# Allegro board HY_TYPEC_CHRG_V10.brd
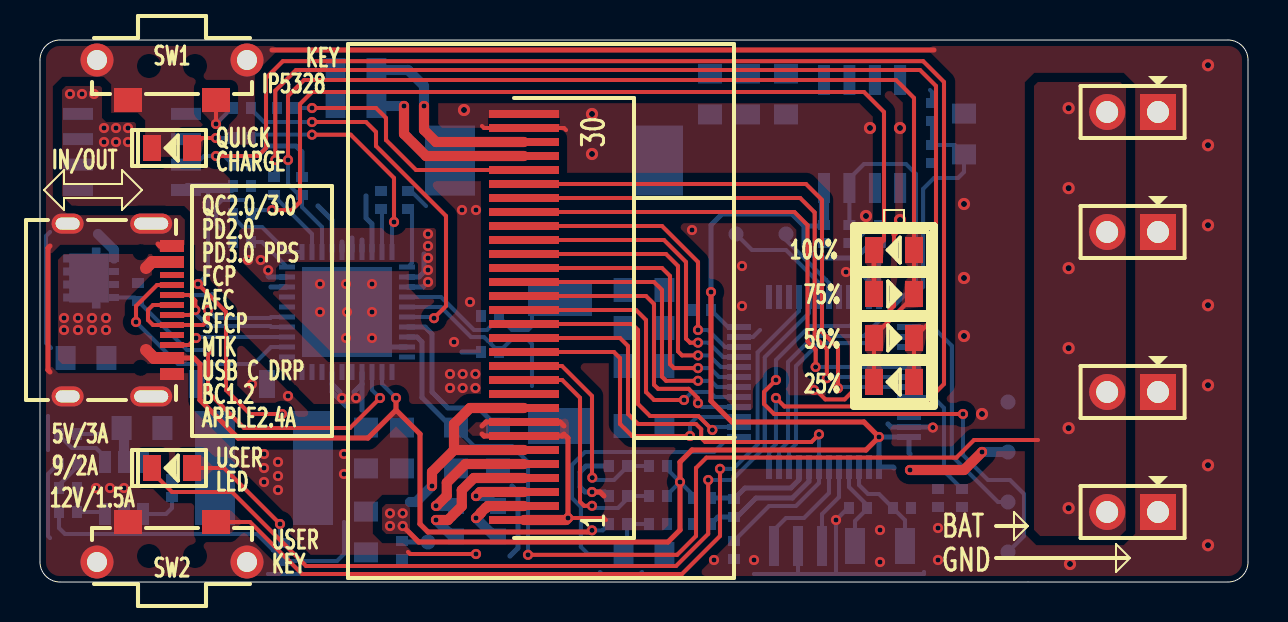
[diagram p0: board, top side]
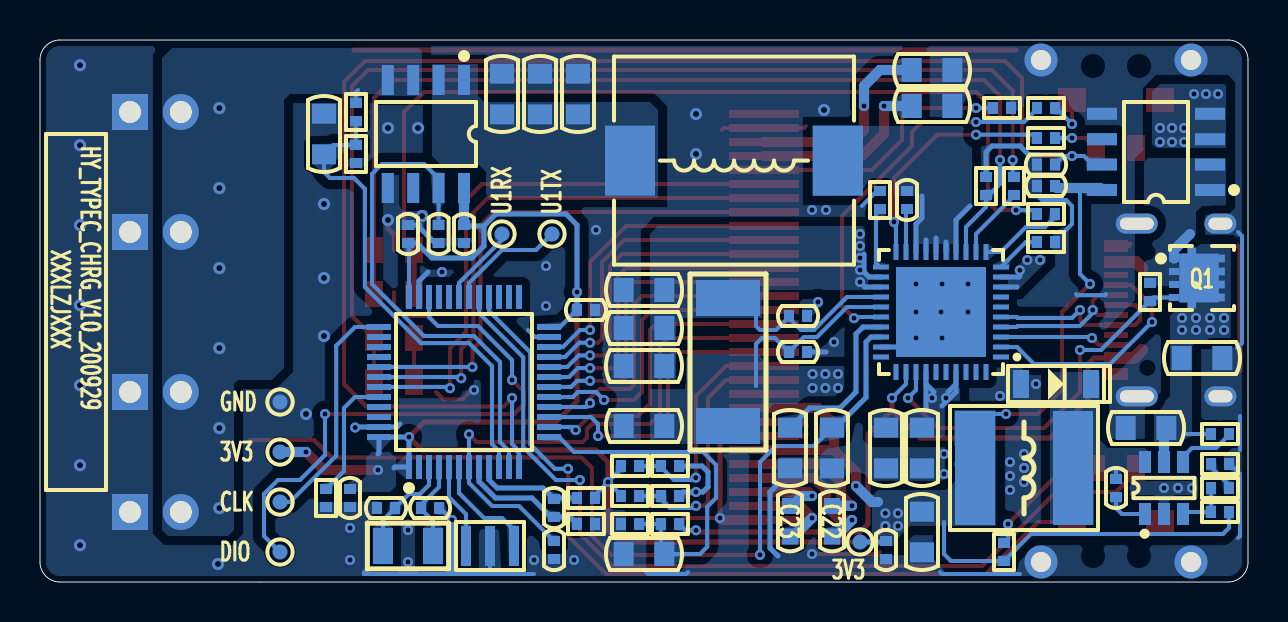
[diagram p1: board, bottom side, seen from below]

Outline 60.4 x 27.1 mm; copper layers: TOP, BOTTOM. Coordinates in mm from the lower left corner of the outline.
Outline path: 0,26.1 0,1 arc(0.29,0.29) 1,0 59.4,0 arc(60.11,0.29) 60.4,1 60.4,26.1 arc(60.11,26.81) 59.4,27.1 1,27.1 arc(0.29,26.81) 0,26.1

## Design rules (mm)
constraint set DEFAULT: min track width 0.203, pair gap 0.203
net group DP12: nets DMC DPC

## Placement (name value [footprint] x y rotation side)
C1  22uF_25V  [C0805]  30.2 7.8 0 bottom
C2  100nF_50V  [C0402]  22.5 11.5 0 bottom
C3  100nF_50V  [C0402]  22.5 13.3 0 bottom
C4  22uF_25V  [C0805]  30.2 10.8 0 bottom
C5  22uF_25V  [C0805]  30.2 14.6 0 bottom
C6  22uF_25V  [C0805]  30.2 12.7 0 bottom
C7  22uF_10V  [C0805]  20.8 6.7 90 bottom
C8  22uF_10V  [C0805]  22.9 6.7 90 bottom
C9  100nF_50V  [C0402]  10.1 19.8 180 bottom
C10  100nF_50V  [C0402]  39.2 17.4 90 bottom
C11  100nF_50V  [C0402]  17.05 19.1 270 bottom
C12  10uF_25V  [C0805]  2.3 11.2 180 bottom
C13  22uF_10V  [C0805]  33.5 24.4 90 bottom
C14  22uF_10V  [C0805]  37.3 24.4 90 bottom
C15  22uF_10V  [C0805]  35.4 24.4 90 bottom
C16  22uF_25V  [C0805]  16.3 6.7 270 bottom
C17  22uF_25V  [C0805]  18.1 6.7 270 bottom
C18  10nF_50V  [C0402]  6.6 4.7 90 bottom
C19  22uF_10V  [C0805]  16.3 2.5 270 bottom
C20  100nF_50V  [C0402]  18.1 1.6 270 bottom
C21  10uF_25V  [C0805]  5.1 7.7 0 bottom
C22  1uF_25V  [C0603]  20.8 3.04 90 bottom
C23  1uF_25V  [C0603]  22.9 3.04 270 bottom
C24  12pF_50V  [C0402]  43.1 3.7 180 bottom
C25  12pF_50V  [C0402]  40.9 3.7 0 bottom
C26  100nF_50V  [C0402]  44.9 4.2 90 bottom
C27  100nF_50V  [C0402]  42 17.4 270 bottom
C28  100nF_50V  [C0402]  33.1 13.6 0 bottom
C29  100nF_50V  [C0402]  34.7 3.7 90 bottom
C30  100nF_50V  [C0402]  34.7 1.6 270 bottom
C31  10uF_25V  [C0805]  15.8 23.8 180 bottom
C32  10uF_25V  [C0805]  15.8 25.6 180 bottom
C33  10uF_25V  [C0805]  30.2 1.4 0 bottom
C34  10uF_25V  [C0805]  46.2 22.4 90 bottom
C35  100nF_50V  [C0402]  10.1 20.87 0 bottom
C36  100nF_50V  [C0402]  40.47 17.4 270 bottom
D1  LED_GREEN  [LED0805]  6.6 21.7 180 top
D2  LED_GREEN  [LED0805]  42.7 10 180 top
D3  LED_GREEN  [LED0805]  42.7 12.2 0 top
D4  LED_GREEN  [LED0805]  42.7 14.4 0 top
D5  LED_GREEN  [LED0805]  42.7 16.6 180 top
D6  LMBR0520T1G  [SOD123]  9.6 9.9 0 bottom
D7  LED_GREEN  [LED0805]  6.6 5.7 180 top
J1  -  [CN1X2-2P54-Z]  55.9 23.5 180 top
J2  -  [CN1X2-2P54-Z]  55.9 17.5 180 top
J3  -  [CN1X2-2P54-Z]  55.9 9.5 180 top
J4  -  [CN1X2-2P54-Z]  55.9 3.5 180 top
L1  SMMS1040-1R5M  [L10040]  25.7 21.07 0 bottom
L2  SLF6028T-4R7M1R6-PF  [L6028]  11.2 5.7 0 bottom
NOREF  -  []  0 0 90 top
NOREF#2  -  []  0 0 0 top
Q1  WSD30L40DN  [DFN3X3]  2.3 15.2 270 bottom
R1  0R01  [R2512]  26 11 270 bottom
R2  1K  [R0402]  10.1 23.7 0 bottom
R3  110K  [R0402]  18.4 19.1 90 bottom
R4  10K  [R0402]  10.1 22.2 180 bottom
R5  300K  [R0402]  28.9 2.9 180 bottom
R6  10K  [R0402]  4.9 14.5 90 bottom
R7  100K  [R0402]  30.9 2.9 180 bottom
R8  0R/NI  [R0402]  13.1 19.8 90 bottom
R9  10K  [R0402]  11.7 19.8 90 bottom
R10  300K  [R0402]  44.6 23.5 90 bottom
R11  300K  [R0402]  44.6 21.4 90 bottom
R12  10K  [R0402]  10.1 18.4 0 bottom
R13  51K  [R0402]  10.1 17 180 bottom
R14  49.9K  [R0402]  1.4 3.5 0 bottom
R15  100K  [R0402]  1.4 7.4 180 bottom
R16  6.2K  [R0402]  1.4 4.7 180 bottom
R17  10K  [R0402]  1.4 5.9 180 bottom
R18  10K  [R0402]  30.9 4.3 0 bottom
R19  10K  [R0402]  30.9 5.8 0 bottom
R20  0R  [R0402]  33.1 4.2 180 bottom
R21  10K/NI  [R0402]  28.9 4.3 0 bottom
R22  10K/NI  [R0402]  28.9 5.8 0 bottom
R23  0R  [R0402]  33.1 2.9 180 bottom
R24  10K  [R0402]  46.1 4.2 270 bottom
R25  760K  [R0402]  12.3 23.7 0 bottom
R26  10K  [R0402]  12.2 1.5 270 bottom
SW1  K2-1112SW-A4SW-04/NI  [K2-1112SW-A4SW-04]  6.6 25.8 0 top
SW2  K2-1112SW-A4SW-04/NI  [K2-1112SW-A4SW-04]  6.6 1.3 180 top
TP1  TestPoint  [TP-0R75]  19.4 2 180 bottom
TP2  TestPoint  [TP-0R75]  48.4 9 180 bottom
TP3  TestPoint  [TP-0R75]  48.4 6.5 180 bottom
TP4  TestPoint  [TP-0R75]  34.8 17.4 180 bottom
TP5  TestPoint  [TP-0R75]  37.3 17.4 180 bottom
TP6  TestPoint  [TP-0R75]  48.4 4 180 bottom
TP7  TestPoint  [TP-0R75]  48.4 1.5 180 bottom
U1  CC6903SO-10A  [SOIC8]  4.6 21.5 90 bottom
U2  IP5328P  [QFN40-6X6X0R5-4R6X4R6]  15.35 13.5 90 bottom
U3  CC6903SO-10A  [SOIC8]  41.1 22.4 0 bottom
U4  MP2359DJ-LF-Z  [SOT23-6]  4.2 4.7 180 bottom
U5  -  [OLED_0R96]  25 13.6 90 top
U6  STM32L151RBT6  [LQFP48-7X7X0R5]  39.2 10 180 bottom
USB1  -  [TYPE-C-31-M-12]  6.6 13.6 270 top
X1  CSTCE8M00G15C99-R0  [X-3P-3R2X1R3-SMD]  37.9 1.8 180 bottom
X2  XTAL_32768Hz_3215  [X-2P-3R2X1R5-SMD]  42 1.8 0 bottom

## Library data of the parts
C1 C4-C8 C12-C17 C19 = CAP NP_3
C2 C3 C11 C18 C22 C23 C26-C32 = CAP NP_2
C9 C10 C20 C21 C24 C25 C33-C36 = CAP NP
D1-D5 D7 = LED_2
D6 = DIODE13_7
J1-J4 = CON2_CN1X2-2P54-Z_CN1X2-2P54-Z
L1 = IND_BEAD_0805_600OHM_1
L2 = INDUCTOR_0
Q1 = SI4497DY-T1-GE3_0
R1-R26 = R_Generic
SW1 SW2 = SWITCH-SPST-4P
TP1-TP7 = TestPoint
U1 U3 = CC6903SO-10A
U2 = IP5328P_0
U4 = MP2359DJ-LF-Z
U5 = OLED_0
U6 = STM32F103C8T6
USB1 = TYPE-C_16P
X1 X2 = XTAL_5032_0

## Footprints (pads in the part's own frame, mm; a bottom-side part is the same pattern mirrored in y, then rotated)
C0402
  rect 0.5x0.6 smd: 1(-0.45,0) 2(0.45,0)
C0603
  rect 0.8x0.8 smd: 1(-0.762,0) 2(0.762,0)
C0805
  rect 1x1.2 smd: 1(-1.016,0) 2(1.016,0)
CN1X2-2P54-Z
  rect 1.8x1.8 hole 1.1: 1(0,0)
  round 1.8 hole 1.1: 2(2.54,0)
DFN3X3
  rect 0.35x0.5 smd: 1(-0.975,-1.4) 2(-0.325,-1.4) 3(0.325,-1.4) 4(0.975,-1.4)
  custom 3.05x2.28 smd: 5(0,0)
K2-1112SW-A4SW-04
  round 1.65 hole 1: 1(-3.75,0.3) 4(3.75,0.3)
  rect 1.4x1.2 smd: 2(-2.2,-1.7) 3(2.2,-1.7)
L6028
  rect 2x5.7 smd: 1(-2.45,0) 2(2.45,0)
L10040
  rect 2.5x3.5 smd: 1(-5.2,0) 2(5.2,0)
LED0805
  rect 0.9x1.3 smd: 1(-1,0) 2(1,0)
LQFP48-7X7X0R5
  rect 0.3x1.2 smd: 1(-2.75,-4.25) 2(-2.25,-4.25) 3(-1.75,-4.25) 4(-1.25,-4.25) 5(-0.75,-4.25) 6(-0.25,-4.25) 7(0.25,-4.25) 8(0.75,-4.25) 9(1.25,-4.25) 10(1.75,-4.25) 11(2.25,-4.25) 12(2.75,-4.25) 25(2.75,4.25) 26(2.25,4.25) 27(1.75,4.25) 28(1.25,4.25) 29(0.75,4.25) 30(0.25,4.25) 31(-0.25,4.25) 32(-0.75,4.25) 33(-1.25,4.25) 34(-1.75,4.25) 35(-2.25,4.25) 36(-2.75,4.25)
  rect 1.2x0.3 smd: 13(4.25,-2.75) 14(4.25,-2.25) 15(4.25,-1.75) 16(4.25,-1.25) 17(4.25,-0.75) 18(4.25,-0.25) 19(4.25,0.25) 20(4.25,0.75) 21(4.25,1.25) 22(4.25,1.75) 23(4.25,2.25) 24(4.25,2.75) 37(-4.25,2.75) 38(-4.25,2.25) 39(-4.25,1.75) 40(-4.25,1.25) 41(-4.25,0.75) 42(-4.25,0.25) 43(-4.25,-0.25) 44(-4.25,-0.75) 45(-4.25,-1.25) 46(-4.25,-1.75) 47(-4.25,-2.25) 48(-4.25,-2.75)
OLED_0R96
  rect 0.4x3.5 smd: 1(-10.5,0.8) 2(-9.8,0.8) 3(-9.1,0.8) 4(-8.4,0.8) 5(-7.7,0.8) 6(-7,0.8) 7(-6.3,0.8) 8(-5.6,0.8) 9(-4.9,0.8) 10(-4.2,0.8) 11(-3.5,0.8) 12(-2.8,0.8) 13(-2.1,0.8) 14(-1.4,0.8) 15(-0.7,0.8) 16(0,0.8) 17(0.7,0.8) 18(1.4,0.8) 19(2.1,0.8) 20(2.8,0.8) 21(3.5,0.8) 22(4.2,0.8) 23(4.9,0.8) 24(5.6,0.8) 25(6.3,0.8) 26(7,0.8) 27(7.7,0.8) 28(8.4,0.8) 29(9.1,0.8) 30(9.8,0.8)
QFN40-6X6X0R5-4R6X4R6
  rect 0.25x0.8 smd: 1(-2.25,-3) 2(-1.75,-3) 3(-1.25,-3) 4(-0.75,-3) 5(-0.25,-3) 6(0.25,-3) 7(0.75,-3) 8(1.25,-3) 9(1.75,-3) 10(2.25,-3) 21(2.25,3) 22(1.75,3) 23(1.25,3) 24(0.75,3) 25(0.25,3) 26(-0.25,3) 27(-0.75,3) 28(-1.25,3) 29(-1.75,3) 30(-2.25,3)
  rect 0.8x0.25 smd: 11(3,-2.25) 12(3,-1.75) 13(3,-1.25) 14(3,-0.75) 15(3,-0.25) 16(3,0.25) 17(3,0.75) 18(3,1.25) 19(3,1.75) 20(3,2.25) 31(-3,2.25) 32(-3,1.75) 33(-3,1.25) 34(-3,0.75) 35(-3,0.25) 36(-3,-0.25) 37(-3,-0.75) 38(-3,-1.25) 39(-3,-1.75) 40(-3,-2.25)
  rect 4.5x4.5 smd: 41(0,0)
R0402
  rect 0.5x0.6 smd: 1(-0.45,0) 2(0.45,0)
R2512
  rect 1.8x3.2 smd: 1(-3.2,0) 2(3.2,0)
SOD123
  rect 0.8x1.4 smd: 1(1.75,0) 2(-1.75,0)
SOIC8
  rect 0.6x1.5 smd: 1(-1.9,-2.7) 2(-0.63,-2.7) 3(0.64,-2.7) 4(1.91,-2.7) 5(1.91,2.7) 6(0.64,2.7) 7(-0.63,2.7) 8(-1.9,2.7)
SOT23-6
  rect 0.6x1.1 smd: 1(-0.95,-1.3) 2(0,-1.3) 3(0.95,-1.3) 4(0.95,1.3) 5(0,1.3) 6(-0.95,1.3)
TP-0R75
  round 0.75 smd: 1(0,0)
TYPE-C-31-M-12
  rect 0.6x1.2 smd: 1(-3.2,0) 2(-2.4,0) 11(2.4,0) 12(3.2,0)
  rect 0.3x1.2 smd: 3(-1.75,0) 4(-1.25,0) 5(-0.75,0) 6(-0.25,0) 7(0.25,0) 8(0.75,0) 9(1.25,0) 10(1.75,0)
  oval 1x2.1 hole 0.6x1.7: 13(-4.32,-1.04) 14(4.32,-1.04)
  oval 1x1.6 hole 0.6x1.2: 15(-4.32,-5.22) 16(4.32,-5.22)
X-2P-3R2X1R5-SMD
  rect 1x1.8 smd: 1(-1.25,0) 2(1.25,0)
X-3P-3R2X1R3-SMD
  rect 0.5x2 smd: 1(-1.2,0) 2(0,0) 3(1.2,0)

## Nets
GND: C1.2 C2.1 C3.1 C4.2 C5.2 C6.2 C7.1 C8.1 C9.1 C10.1 C12.2 C13.2 C14.2 C15.2 C16.2 C17.2 C19.2 C20.2 C21.2 C24.1 C25.1 C26.1 C27.1 C28.1 C30.2 C31.2 C32.2 C33.2 C34.2 C35.2 C36.2 D1.2(CATHODE) D6.1 J1.1 J2.1 J3.1 J4.1 R3.2 R7.1 R8.2 R11.1 R13.2 R17.2 R21.1 R22.1 R23.2 R24.2 R25.1 SW1.1 SW1.2 SW1.4 SW2.1 SW2.3 SW2.4 TP2.1 U1.5 U2.29 U2.41 U3.5 U4.2 U5.1 U5.7 U5.8(VSS) U5.29 U5.30 U6.23 U6.35 U6.47(VSS_3) USB1.1 USB1.12 USB1.13 USB1.14 USB1.15 USB1.16 X1.2
VBUSG: Q1.4 R6.1 U2.33
VCC_3.3V: C9.2 C10.2 C19.1 C20.1 C26.2 C27.2 C28.2 L2.2 R14.1 R18.2 R19.2 R20.2 R26.2 TP1.1 TP3.1 U1.8(VCC) U3.8(VCC) U5.6 U5.9 U6.1 U6.24 U6.36 U6.48
VCC_VBAT: C7.2 J1.2 J2.2 J3.2 J4.2 R10.2 U2.28 U3.3 U3.4
VCC_VBUS: C12.1 C21.1 Q1.5 R5.2 R15.1 U2.32 U4.5 USB1.2 USB1.11(VBUS2)
VCC_VMID: C1.1 C2.2 C16.1 C17.1 R1.2 U1.3 U1.4 U2.25 U2.34 U2.37
VCC_VREG: C8.2 U2.27
VCC_VSYS: C3.2 C4.1 C5.1 C6.1 R1.1 U2.8 U2.9 U2.22 U2.23(VSYS_4) U2.24
VDDA: C29.2 R20.1 U6.9
VSSA: C29.1 R23.1 U6.8
ADC_BAT_C: C36.1 U3.7 U6.11
ADC_BAT_V: C34.1 R10.1 R11.2 U6.10
ADC_USB_C: C35.1 U1.7 U6.12
ADC_USB_V: C33.1 R5.1 R7.2 U6.13
BOOT0: R24.1 U6.44
BS1: R18.1 R21.2 U5.11
BS2: R19.1 R22.2 U5.12
CC1: U2.2 USB1.4
CC2: U2.3 USB1.10
DMC: U2.4 USB1.5 USB1.7
DPC: U2.5 USB1.6 USB1.8
KEY0: SW2.2 U6.28
LED0: D7.2(CATHODE) U6.29
LIGHT: R4.1 U2.20
OLED_CS: U5.13 U6.15
OLED_D0: U5.18 U6.18
OLED_D1: U5.19 U6.19
OLED_D2: U5.20 U6.20
OLED_D3: U5.21 U6.21
OLED_D4: U5.22 U6.22
OLED_D5: U5.23 U6.41
OLED_D6: U5.24 U6.42
OLED_D7: U5.25 U6.43
OLED_DC: U5.15 U6.14
OLED_RD: U5.17 U6.16
OLED_RW: U5.16 U6.17
OSC32_IN: C24.2 U6.3 X2.2
OSC32_OUT: C25.2 U6.4 X2.1
OSC_IN: U6.5 X1.1
OSC_OUT: U6.6 X1.3
RESET: C30.1 U5.14 U6.7
SWCLK: TP6.1 U6.37
SWDIO: TP7.1 U6.34
USART1_RX: TP5.1 U6.31
USART1_TX: TP4.1 U6.30
N17511019: Q1.1 Q1.2 Q1.3(S3) R6.2 U1.1 U1.2
N17512247: R2.1 SW1.3
N17512253: R2.2 U2.26
N17512311: R3.1 U2.21
N17512398: D1.1 R4.2
N17512435: C11.2 U2.19
N17512437: C11.1 L1.1 U2.14 U2.15 U2.16 U2.17 U2.18
N17512443: C13.1 C14.1 C15.1 L1.2(B) U3.1 U3.2
N17512548: D2.2(CATHODE) D3.1 D4.2(CATHODE) D5.1 R8.1 U2.13
N17512579: R9.1 U2.12
N17512581: D2.1 D3.2(CATHODE) R9.2
N17512652: R12.1 U2.11
N17512673: D4.1 D5.2(CATHODE) R12.2
N17512708: R13.1 U2.10
N17522626: C23.1 U5.3
N17522630: C23.2 U5.2
N17522638: C22.1 U5.4
N17522654: C22.2 U5.5
N17522830: R25.2 U5.26
N17522832: C31.1 U5.27
N17522836: C32.1 U5.28
N17529939: C18.2 D6.2(CATHODE) L2.1 U4.6(SW)
N17529941: C18.1 U4.1
N17530065: R14.2 R16.1 U4.3
N17530069: R15.2 U4.4
N17530107: R16.2 R17.1
N17549417: D7.1 R26.1

Pads without a net: U1 6; U2 1 6 7 30 31 35 36 38 39 40; U3 6; U5 10; U6 2 25 26 27 32 33 38 39 40 45 46; USB1 3 9

## Via types
v1: diameter 0.508, hole 0.254, TOP to BOTTOM, 133 vias
v2: diameter 0.61, hole 0.305, TOP to BOTTOM, 25 vias

## Routing (per net, layer and track width the routed paths; a pad name or vN(x,y) marks a point on that pad's centre or on a via; arc(x,y) is an arc through that point)
GND: length 132.3
  TOP w0.203: 18.4,1.5 18.5,1.4 v1(21.8,1.4) ; 28.3,3.1 28.2,3.2 v1(26.4,3.2) ; 40.9,13.3 42.2,13.3 42.7,13.8 42.7,14.5 ; 42.7,16.6 42.7,17.37 ; v1(38.7,9.6) 38.8,9.6 39.27,9.13 40.23,9.13 40.6,9.5 ; 22.1,22.8 22.2,22.7 U5.29 26.2,22.7 26.3,22.6
  TOP w0.254: v1(26.4,3.2) 26.4,7.2 26.3,7.3 ; 11.6,26.6 44.7,26.6 ; 22.1,7.8 22.3,8 U5.8 26,8 26.2,7.8 ; 22.1,7.4 22.2,7.3 U5.7 26.1,7.3 26.2,7.4 ; USB1.1 6,16.8 5.9,16.9 ; 0.5,10.5 0.4,10.6 0.4,16.7 0.5,16.8 ; 42.7,17.37 43,17.67 v2(43,18.1) ; v1(27.6,4.5) 28,4.5 28.2,4.3
  TOP w0.508: U5.1 26.3,3.1 v1(26.4,3.2)
  BOTTOM w0.203: 11.4,0.4 15.3,0.4 15.4,0.5 ; 7.1,14.4 7.16,14.34 8.54,14.34 8.6,14.4 ; U6.23 35.65,12.25 36,12.6 ; R3.2 18.55,19.55 19.3,18.8 ; 44.2,0.5 44.2,0.4 39.8,0.4 ; R17.2 0.9,5.9 0.4,5.4 0.4,2.3 0.5,2.2 ; 39.8,0.4 v1(39.8,3.1) 40.4,3.7 C25.1 ; 39.8,0.4 37.9,0.4 ; 10.4,19.2 10.3,19.1 9.1,19.1 8.8,18.8 8.8,17.9 9.1,17.6 ; 0.4,6.6 0.4,8.3 ; 0.5,17.5 0.3,17.3 0.3,11.96 0.56,11.7 ; 37.9,0.4 X1.2 ; 37.9,0.4 35.7,0.4 ; 28,0.5 28.1,0.4 30,0.4 30.1,0.5
  BOTTOM w0.254: C27.1 41.42,17.85 41.42,17.72 40.65,16.95 C36.2 ; 11,21.4 11.4,21.8 12.8,21.8 13.1,21.5 R8.2 ; U6.35 41.45,15.05 41,15.5 ; C2.1 21.1,11.5 ; R21.1 28.25,4.5 v1(27.6,4.5) 27.25,4.5 27,4.75 27,5.5 27.3,5.8 R22.1 ; v1(15.35,13.5) 17.1,11.75 U2.29 ; v1(44.64,7.72) 44.62,7.75 U6.47 42.55,7.75 42.4,7.9 ; 23.6,4.8 23.9,4.5 23.9,1.7 23.5,1.3
  vias: v1(2.8,4.7) v1(3.5,4.7) v1(4.2,4.7) v1(10.6,9.9) v1(11.2,6.4) v1(11.2,5.7) v1(11.2,5) v1(11.9,6) v1(11.9,5.3) v1(11.9,4.6) v1(12.4,9.3) v1(14,14.9) v1(14,13.5) v1(15.2,6.4) v1(15.2,5.4) v1(15.3,14.9) v1(15.3,12.2) v1(16.6,14.9) v1(16.6,13.5) v1(16.6,12.2) v1(20.7,12) v1(21.1,18.6) v1(21.5,14) v1(21.8,18.6) v1(32.6,17.6) v1(33.7,1.1) v1(35.1,15.8) v1(35.1,13.8) v1(35.7,1.1) v1(40.3,15.5) v1(42,2.6) v1(42,1) v1(44.9,2.7) v1(44.9,1.1) v2(21.2,23.6) v2(27.6,23.4) v2(27.6,21.4) v2(41.3,18.3) v2(41.5,22.7) v2(43,22.7) v2(46.2,18.9) v2(46.2,15.2) v2(46.2,12.3) v2(47.1,8.4) v2(51.5,0.9) v2(58.4,25.84) v2(58.4,21.84) v2(58.4,17.84) v2(58.4,13.84) v2(58.4,9.84) v2(58.4,5.84) v2(58.4,1.84)
VBUSG: length 19.3
  TOP w0.203: v1(8.4,11.6) 8.4,9.5 10.2,7.7 15.5,7.7 v1(17,9.2)
  BOTTOM w0.203: Q1.4 4.72,14.22 R6.1 7.35,11.6 v1(8.4,11.6) ; v1(17,9.2) 16.6,9.6 U2.33
VCC_3.3V: length 130.9
  TOP w0.203: v1(7.9,14.9) 9.3,13.5 9.3,9.6 10.5,8.4 v1(12.1,8.4)
  TOP w0.254: v1(33.55,14.5) 33.55,9.05 34.6,8 41.2,8 v1(41.95,7.25) 41.3,6.6 32.6,6.6 32,6 v1(32,5) 32,2.6 31.4,2 18.93,2 v1(18.14,2.8)
  TOP w0.508: v1(19.6,4.8) 19.6,5.5 20.7,6.6 ; v1(47.1,6.5) 46.2,5.6 v1(43.5,5.6) ; 20.7,6.6 20.7,7.9 21.5,8.7 U5.9 ; 20.7,6.6 U5.6
  BOTTOM w0.203: 15.2,3 15.2,1.4 14.85,1.05 R26.2 12.19,1.05 11.65,1.59 11.65,1.6 10.85,2.4 1.25,2.4 0.95,2.7 R14.1 ; C27.2 41.95,16.9 U6.36 ; U6.24 34.4,12.75 C28.2 ; v1(32,5) 31.35,4.35 R18.2 ; v1(32,5) 32.65,4.35 R20.2 ; v1(32,5) 31.35,5.65 R19.2 ; v1(7.9,14.9) 8.4,15.4 8.4,19.6 ; v1(12.1,8.4) 13.45,8.4 13.65,8.2 L2.2
  BOTTOM w0.254: C28.2 v1(33.55,14.5) 33.55,17.85 34.1,18.4 37.6,18.4 38.2,17.8 ; TP1.1 18.15,2 C20.1 ; 43.5,6.4 43.45,6.45 U6.48 v1(41.95,7.25) U6.1 42.65,5.75 42.7,5.7 ; 38.2,17.8 38.2,16.8 38.8,16.2 40.8,16.2 41.55,16.95 C27.2 ; 38.2,17.8 39.15,17.8 C10.2 ; 8.4,19.6 U1.8
  BOTTOM w0.508: C9.2 9.55,19.7 7.4,19.7 U1.8 ; TP3.1 v1(47.1,6.5) ; v1(19.6,4.8) 18.8,4 18.5,4 ; U3.8 C10.2
  vias: v1(17.5,3.44) v1(17.5,2.8) v1(18.14,3.44)
VCC_VBAT: length 45.5
  TOP w0.203: 49.9,7.1 46.7,7.1 45.82,6.22 33.32,6.22 32.8,5.7 32.8,2.3 31.86,1.36 v1(24.4,1.36)
  BOTTOM w0.203: 44.5,24.6 44.6,24.5 R10.2 ; v1(24.4,1.36) 24.4,6 23.6,6.8 21.7,6.8 20.8,7.7 C7.2
  BOTTOM w0.254: C7.2 20.61,7.72 19.1,9.23 19.1,12 18.85,12.25 U2.28
  vias: v2(51.43,23.69) v2(51.43,19.69) v2(51.43,15.69) v2(51.43,11.69) v2(51.43,7.69) v2(51.43,3.69)
VCC_VBUS: length 38.6
  TOP w0.254: 17.8,8.6 16.4,7.2 9.9,7.2 8,9.1 8,10.9 7.7,11.2 USB1.11 ; 17.8,8.6 19,7.4 19,2.9 19.4,2.5 27.52,2.5 v1(27.6,2.58) ; 17.8,8.6 v1(17.8,9.2)
  TOP w0.6: 5.3,11.6 5.7,11.2 USB1.11 ; 5.3,15.7 5.6,16 USB1.2
  BOTTOM w0.203: R15.1 3.2,7.4 ; U2.32 17.1,9.9 v1(17.8,9.2) ; R5.2 28.13,2.58 v1(27.6,2.58)
  BOTTOM w0.508: U4.5 4.2,7.58 C21.1
  vias: v1(1.2,13.2) v1(1.2,12.6) v1(1.9,13.2) v1(1.9,12.6) v1(2.6,13.2) v1(2.6,12.6) v1(3.3,13.2) v1(3.3,12.6)
VCC_VMID: length 14.7
  BOTTOM w0.203: U2.25 20.05,13.75 21.56,12.24 22.21,12.24 22.4,12.05 22.41,12.05 22.55,11.91 22.55,11.9 C2.2 23.65,12.2 24.3,12.2 24.6,11.9 24.6,9.8
  BOTTOM w0.254: 14.6,9.9 14.6,9.5 15.3,8.8 ; 14.6,9.9 15,9.5 ; 14.6,9.9 U2.37 ; 16.1,8.6 16.1,9.9 ; 16.1,9.9 15.7,9.5 ; 16.1,9.9 U2.34
  vias: v1(1.5,24.4) v1(2.1,24.4) v1(2.7,24.4) v1(3.2,22.7) v1(3.2,22) v1(3.8,22.7) v1(3.8,22) v1(4.4,22.7) v1(4.4,22) v1(15.1,9.2) v1(15.8,9.2) v1(20.5,10.4) v1(20.5,9.7) v1(21.14,10.4) v1(21.14,9.7) v1(21.77,10.4) v1(21.77,9.7)
VCC_VREG: length 8.3
  BOTTOM w0.254: C8.2 21.92,8.7 20.4,8.7 19.6,9.5 19.6,12.4 19.25,12.75 U2.27
VCC_VSYS: length 14.6
  BOTTOM w0.203: 22.95,13.25 23.6,12.6 24.4,12.6 24.6,12.8 24.6,13.7 25.1,14.2 R1.1 ; 22.95,13.25 22.95,13.2 22.35,12.6 21.7,12.6 20.2,14.11 20.19,14.11 20.05,14.25 U2.24 ; 22.95,13.25 C3.2
  BOTTOM w0.254: 11.4,15.3 11.45,15.25 U2.9 ; 11.55,14.75 U2.8 ; 19.2,16.4 19.2,15.5 18.95,15.25 U2.22 ; U2.23 19.15,14.75 19.2,14.8
  vias: v1(10.4,16.1) v1(11.04,16.1) v1(11.41,15.59) v1(19.4,17.4) v1(19.4,16.8) v1(19.4,16.2) v1(19.4,15.6) v1(19.4,15)
VDDA: length 5.5
  BOTTOM w0.254: R20.1 34.65,4.2 C29.2 35.25,4.7 37.55,4.7 37.95,5.11 U6.9
VSSA: length 6.5
  BOTTOM w0.254: R23.1 33.9,3.25 C29.1 34.85,3.25 35.8,4.2 37.62,4.2 38.45,5.03 U6.8
ADC_BAT_C: length 25.1
  BOTTOM w0.203: C36.1 U3.7 40.47,20.17 41.2,20.9 43.3,20.9 43.8,20.4 43.8,14.9 41.2,12.3 38.7,12.3 37.4,11 37.4,7 36.95,6.55 U6.11
ADC_BAT_V: length 24.4
  BOTTOM w0.203: R10.1 R11.2 45.73,21.85 C34.1 46.2,20.5 45.9,20.2 44.7,20.2 44.16,19.66 44.16,14.75 41.35,11.94 38.94,11.94 37.8,10.8 37.8,6.9 37.45,6.55 U6.10
ADC_USB_C: length 71.3
  TOP w0.203: v1(8.8,21.3) 10.9,21.3 11.3,21.7 11.3,25.2 12.14,26.04 44.16,26.04 45.2,25 45.2,9.9 44.08,8.78 37.22,8.78 v1(36.8,9.2)
  BOTTOM w0.203: C35.1 9.22,21.3 v1(8.8,21.3) 8.2,21.3 7.77,20.87 ; U6.12 36.45,6.45 36.59,6.59 36.59,6.7 36.8,6.9 v1(36.8,9.2)
  BOTTOM w0.254: 7.77,20.87 U1.7
ADC_USB_V: length 18.2
  BOTTOM w0.203: U6.13 34.45,7.25 33.7,6.5 27.24,6.5 26.6,5.86 26.6,4.2 27.04,3.76 27.04,1.76 27.4,1.4 C33.1 29.35,1.57 R5.1 R7.2
BOOT0: length 6.4
  BOTTOM w0.203: R24.1 45.2,5.55 45.2,8.7 44.65,9.25 U6.44
BS1: length 12.3
  TOP w0.203: v1(27.6,3.81) 27.2,3.81 27,4.01 27,9.21 26.11,10.1 U5.11
  BOTTOM w0.203: R18.1 R21.2 29.35,4.15 28.9,3.7 27.71,3.7 v1(27.6,3.81)
BS2: length 11.3
  TOP w0.203: U5.12 26.1,10.8 27.6,9.3 27.6,5.23 v1(27.61,5.22)
  BOTTOM w0.203: R19.1 R22.2 29.35,5.75 28.7,5.1 27.8,5.1 27.68,5.22 v1(27.61,5.22)
CC1: length 11.8
  TOP w0.203: v1(4.8,13) 4.8,13.8 5.85,14.85 USB1.4
  BOTTOM w0.203: U2.2 11.55,11.75 10.7,10.9 6.9,10.9 v1(4.8,13)
CC2: length 5.9
  TOP w0.203: USB1.10 7.45,11.85 v1(7.8,12.2)
  BOTTOM w0.203: v1(7.8,12.2) 7.85,12.25 U2.3
DMC: length 8
  TOP w0.203: USB1.7 7.51,13.35 v1(7.76,13.6) 7.76,14.07 7.48,14.35 USB1.5
  BOTTOM w0.203: U2.4 11.56,12.75 11.52,12.8 8.41,12.8 7.76,13.44 v1(7.76,13.6)
DPC: length 9.7
  TOP w0.203: 6.75,12.85 6.8,12.9 ; 6.75,12.85 USB1.8 5.65,12.85 5.4,13.1 5.4,13.6 5.65,13.85 USB1.6 ; 6.75,12.85 8.15,12.85 8.4,13.1 v1(8.4,13.6)
  BOTTOM w0.203: U2.5 11.56,13.25 11.52,13.2 8.8,13.2 v1(8.4,13.6)
KEY0: length 41
  TOP w0.203: v1(34,5.66) 34,2.3 32.1,0.4 13.1,0.4 10.5,3 SW2.2
  BOTTOM w0.203: U6.28 37.95,13.55 35.88,11.48 35.88,6.89 34.66,5.66 v1(34,5.66)
LED0: length 45.3
  TOP w0.203: D7.2 5.6,5.5 6.6,4.5 9.6,4.5 13.3,0.8 31.8,0.8 33.41,2.41 v1(33.41,5.1)
  BOTTOM w0.203: v1(33.41,5.1) 34.6,5.1 36.24,6.74 36.24,11.24 38.45,13.45 U6.29
LIGHT: length 11.9
  TOP w0.203: v1(17.7,18) 17.7,20.2 15.54,22.36 v1(13.6,22.36)
  BOTTOM w0.203: U2.20 17.6,17.9 v1(17.7,18) ; v1(13.6,22.36) 10.71,22.36 R4.1
OLED_CS: length 15.2
  TOP w0.203: U5.13 28.7,11.5 29,11.2 29,7.9 29.6,7.3 v1(32.5,7.3)
  BOTTOM w0.203: v1(32.5,7.3) 32.5,7.9 32.85,8.25 U6.15
OLED_D0: length 15.5
  TOP w0.203: v1(32.9,10.06) 31.3,10.06 31.1,10.26 31.1,14.6 30.7,15 U5.18
  BOTTOM w0.203: U6.18 33.85,9.75 33.54,10.06 v1(32.9,10.06)
OLED_D1: length 15.6
  TOP w0.203: U5.19 31.1,15.7 31.5,15.3 31.5,10.9 31.7,10.7 v1(32.9,10.7)
  BOTTOM w0.203: U6.19 33.95,10.25 33.51,10.7 v1(32.9,10.7)
OLED_D2: length 15.6
  TOP w0.203: v1(32.9,11.33) 32.1,11.33 31.9,11.53 31.9,15.8 31.3,16.4 U5.20
  BOTTOM w0.203: U6.20 34.04,10.75 33.46,11.33 v1(32.9,11.33)
OLED_D3: length 15.4
  TOP w0.203: U5.21 31.2,17.1 32.3,16 32.3,12.17 32.5,11.96 v1(32.9,11.96)
  BOTTOM w0.203: U6.21 34.15,11.25 33.44,11.96 v1(32.9,11.96)
OLED_D4: length 15.2
  TOP w0.203: v1(32.9,12.6) 32.9,16 31.1,17.8 U5.22
  BOTTOM w0.203: v1(32.9,12.6) 33.4,12.6 34.25,11.75 U6.22
OLED_D5: length 26.4
  TOP w0.203: U5.23 37.72,18.5 38.38,17.84 38.38,12.02 38.78,11.62 v1(38.78,10.75)
  BOTTOM w0.203: U6.41 v1(38.78,10.75)
OLED_D6: length 27.5
  TOP w0.203: U5.24 38.01,19.2 38.73,18.48 38.73,12.27 39.34,11.66 v1(39.34,10.19)
  BOTTOM w0.203: U6.42 39.4,10.25 v1(39.34,10.19)
OLED_D7: length 28.5
  TOP w0.203: U5.25 38.3,19.9 39.1,19.1 39.1,12.5 39.9,11.7 v1(39.9,9.69)
  BOTTOM w0.203: U6.43 39.96,9.75 v1(39.9,9.69)
OLED_DC: length 15.2
  TOP w0.203: v1(33.62,7.6) 32.92,8.3 30.5,8.3 29.9,8.9 29.9,12.6 29.6,12.9 U5.15
  BOTTOM w0.203: v1(33.62,7.6) 33.77,7.75 U6.14
OLED_RD: length 15.6
  TOP w0.203: U5.17 30.3,14.3 30.7,13.9 30.7,9.86 30.9,9.66 32.43,9.66 32.9,9.19 v1(32.9,8.94)
  BOTTOM w0.203: v1(32.9,8.94) 33.09,8.75 U6.16
OLED_RW: length 15
  TOP w0.203: v1(32.2,9.1) 30.7,9.1 30.3,9.5 30.3,13.1 29.8,13.6 U5.16
  BOTTOM w0.203: v1(32.2,9.1) 32.6,9.5 33.5,9.5 33.75,9.25 U6.17
OSC32_IN: length 5.2
  BOTTOM w0.203: U6.3 40.95,4.85 41.4,4.4 41.95,4.4 C24.2 42.65,3.69 43.25,3.09 X2.2
OSC32_OUT: length 4.6
  BOTTOM w0.203: U6.4 40.45,4.75 41.35,3.85 C25.2 41.35,3.65 40.75,3.05 X2.1
OSC_IN: length 4.3
  BOTTOM w0.203: U6.5 39.95,4.24 39.1,3.39 X1.1
OSC_OUT: length 5.6
  BOTTOM w0.203: X1.3 36.7,2.6 37.3,3.2 38.2,3.2 39.45,4.45 U6.6
RESET: length 27.2
  TOP w0.203: v1(38.95,7.38) 38.57,7 33.26,7 33.06,7.2 33.06,7.64 32.8,7.9 29.9,7.9 29.4,8.4 29.4,11.8 29,12.2 U5.14
  BOTTOM w0.203: C30.1 36.45,3.8 37.79,3.8 38.95,4.96 U6.7 v1(38.95,7.38)
SWCLK: length 11.8
  BOTTOM w0.203: TP6.1 47.9,4 45.59,6.31 45.59,11.81 44.65,12.75 U6.37
SWDIO: length 27.8
  TOP w0.203: v1(46.15,8.4) 36.7,8.4 36.2,8.9 36.2,9.5 v1(36.8,10.1)
  BOTTOM w0.203: v1(36.8,10.1) 36.8,11.1 38.5,12.8 40.5,12.8 40.95,13.25 U6.34 ; v1(46.15,8.4) 46.15,6.35 47.4,5.1 48.5,5.1 49.2,4.4 49.2,2.3 TP7.1
USART1_RX: length 4
  BOTTOM w0.203: U6.31 39.45,14.95 39.31,15.09 39.31,15.1 37.3,17.1 TP5.1
USART1_TX: length 5.9
  BOTTOM w0.203: TP4.1 35.6,16.6 37.3,16.6 38.95,14.95 U6.30
N17511019: length 1.6
  BOTTOM w0.508: 2.9,17.4 3.7,16.6 Q1.1
N17512247: length 2.4
  TOP w0.203: SW1.3 v1(8.8,22.9)
  BOTTOM w0.203: R2.1 9.6,23.7 v1(8.8,22.9)
N17512253: length 19.2
  TOP w0.203: v1(19.7,13.19) 19.7,13.2 20.3,13.8 20.3,18.3 16.8,21.8 16.8,22.5 16.3,23 v1(13.6,23)
  BOTTOM w0.203: U2.26 19.64,13.25 v1(19.7,13.19) ; v1(13.6,23) 11.2,23 10.55,23.65 R2.2
N17512311: length 3.1
  BOTTOM w0.203: U2.21 18.4,15.75 18.6,15.95 18.6,18.45 R3.1
N17512398: length 2.3
  TOP w0.203: D1.1 8.1,22.2 v1(8.8,22.2)
  BOTTOM w0.203: R4.2 v1(8.8,22.2)
N17512435: length 2.2
  BOTTOM w0.203: U2.19 17.1,18.6 C11.2
N17512437: length 7.3
  BOTTOM w0.254: U2.15 15.1,17 ; U2.17 16.1,17.1 ; U2.18 16.6,17.9 16.3,18.2 16.3,19.3 ; 13.9,18.8 14.6,18.1 U2.14 ; U2.16 15.6,17.2
N17512548: length 55.6
  TOP w0.203: D2.2 D3.1 41.7,12.3 43.7,14.3 D4.2 D5.1 43.7,24.2 42.8,25.1 13.2,25.1 12.4,24.3 v1(12.4,21.1)
  BOTTOM w0.203: U2.13 14.1,17.75 13.1,18.75 R8.1 12.95,19.35 12.4,19.9 v1(12.4,21.1)
N17512579: length 3.6
  BOTTOM w0.203: R9.1 11.7,19.3 13.6,17.4 U2.12
N17512581: length 53.4
  TOP w0.203: v1(11.77,21.1) 11.77,24.57 12.8,25.6 44,25.6 44.8,24.8 44.8,13.3 D3.2 43.7,10.2
  TOP w0.254: 43.7,10.2 D2.1
  BOTTOM w0.203: v1(11.77,21.1) 11.77,20.41 11.7,20.35 R9.2
N17512652: length 4.3
  BOTTOM w0.203: R12.1 9.65,18.25 10.16,17.74 11.11,17.74 12.35,16.5 U2.11
N17512673: length 46.8
  TOP w0.203: v1(11.6,18.59) 12.59,18.59 13,19 13,23.9 13.6,24.5 41.2,24.5 42.2,23.5 42.2,17.1 D5.2
  TOP w0.254: D5.2 D4.1
  BOTTOM w0.203: v1(11.6,18.59) 10.74,18.59 R12.2
N17512708: length 2.3
  BOTTOM w0.203: R13.1 11.1,17 U2.10
N17522626: length 3.8
  TOP w0.508: U5.3 22,4.5 v1(21.8,4.3)
  BOTTOM w0.508: C23.1 22.8,3.8 22.3,4.3 v1(21.8,4.3)
N17522630: length 4.1
  TOP w0.508: v1(21.8,3.2) 22.04,3.44 22.04,3.47 22.28,3.71 22.31,3.71 22.4,3.8 U5.2
  BOTTOM w0.508: v1(21.8,3.2) 22.72,2.28 C23.2
N17522638: length 7.1
  TOP w0.508: v1(19.8,3.1) 20.4,3.1 21.09,3.79 21.09,4.59 21.69,5.2 U5.4
  BOTTOM w0.508: C22.1 20.62,2.28 v1(19.8,3.1)
N17522654: length 6.6
  TOP w0.508: v1(19.8,3.81) 19.83,3.81 20.34,4.32 20.34,4.97 21.27,5.9 U5.5
  BOTTOM w0.508: v1(19.8,3.81) 20.09,3.81 20.11,3.8 C22.2
N17522830: length 13.4
  TOP w0.203: U5.26 18.8,20.6 17.3,22.1 17.3,23.2 16.8,23.7 v1(13.6,23.7)
  BOTTOM w0.203: v1(13.6,23.7) R25.2
N17522832: length 9.2
  TOP w0.508: U5.27 19.3,21.3 18.2,22.4 v1(18.2,23.8)
  BOTTOM w0.508: C31.1 v1(18.2,23.8)
N17522836: length 10.2
  TOP w0.508: U5.28 19.8,22 19.2,22.6 v1(19.2,23.8)
  BOTTOM w0.508: v1(19.2,23.8) 19.2,24.8 18.4,25.6 C32.1
N17529939: length 0.4
  BOTTOM w0.203: C18.2 6.6,5.6
N17529941: length 2.1
  BOTTOM w0.203: C18.1 6.6,3.7 6.3,3.4 U4.1
N17530065: length 2.6
  BOTTOM w0.203: U4.3 3.15,3.5 R14.2 R16.1
N17530069: length 3.1
  BOTTOM w0.203: U4.4 3.25,6.25 2.8,6.7 1.6,6.7 0.95,7.35 R15.2
N17530107: length 1.6
  BOTTOM w0.203: R16.2 0.95,4.85 1.85,5.75 R17.1
N17549417: length 6.6
  TOP w0.203: v1(12,2.9) 9.2,5.7 D7.1
  BOTTOM w0.203: v1(12,2.9) 12,2.15 R26.1

## Copper pours and planes (outline as drawn; the poured copper is in the pictures)
GND on TOP: 1,0.3 0.51,0.51 0.3,1 0.3,26.1 0.51,26.59 1,26.8 59.4,26.8 59.89,26.59 60.1,26.1 60.1,1 59.89,0.51 59.4,0.3 ; 7 cut-outs
GND on BOTTOM: 1,0.3 0.51,0.51 0.3,1 0.3,26.1 0.51,26.59 1,26.8 59.4,26.8 59.89,26.59 60.1,26.1 60.1,1 59.89,0.51 59.4,0.3 ; 7 cut-outs
VCC_3.3V on TOP: 17.3,3.9 18.3,3.9 18.5,3.7 18.5,2.6 18.3,2.4 17.3,2.4 17.1,2.6 17.1,3.7
VCC_3.3V on BOTTOM: 12.6,8.6 12.6,2.8 16.9,2.8 17.5,2.2 17.5,1.8 18.8,1.8 18.8,4.3 18.5,4.6 15.1,4.6 14.7,5 14.7,8.6
VCC_3.3V on BOTTOM: 45.2,4.5 42.9,4.5 42.6,4.8 42.6,6.2 42.9,6.5 43.8,6.5 44.1,6.2 44.1,5.3 44.3,5.1 44.8,5.1 45.2,4.7
VCC_VBAT on TOP: 50,2.3 54,2.3 54.3,2.6 54.3,24.7 54,25 49.9,25 49.7,24.8 49.7,2.6
VCC_VBAT on BOTTOM: 41.3,24.3 41.3,26.5 41.5,26.7 53.8,26.7 54.3,26.2 54.3,2.6 54,2.3 51,2.3 50.7,2.6 50.7,9.9 50.5,10.1 48.8,10.1 48.2,10.7 48.2,24.1 47.9,24.4 43.5,24.4 43.4,24.3
VCC_VBUS on TOP: 7.3,10.9 1.1,10.9 0.9,11.1 0.9,16.1 1.2,16.4 7.3,16.4 7.3,15.7 5.9,15.7 5.6,15.4 5.6,11.8 5.9,11.5 7.3,11.5
VCC_VBUS on BOTTOM: 3.9,9.3 3.9,13.3 3.7,13.5 3.2,13.5 3,13.7 3,16.5 2.6,16.9 0.9,16.9 0.7,16.7 0.7,12.4 1,12.1 2.5,12.1 2.8,11.8 2.8,7.3 3.1,7 3.8,7 3.9,6.9 3.9,5.5 4.5,5.5 4.5,6.7 4.7,6.9 4.7,8.5
VCC_VMID on TOP: 22.1,11 14.4,11 9.5,15.9 9.5,20.15 8.9,20.75 8.75,20.75 8.7,20.8 5,20.8 4.8,21 4.8,22.9 4.7,23 3.3,23 3.1,23.2 3.1,24.7 3,24.8 1.3,24.8 1.1,24.6 1.1,19.3 1.6,18.8 7.2,18.8 7.7,18.3 7.7,14.9 13.7,8.9 22.2,8.9 22.5,9.2 22.5,10.6
VCC_VMID on BOTTOM: 24.2,6.9 24.2,8.4 23.7,8.9 20.5,8.9 19.8,9.6 19.8,10.5 20.1,10.8 23.9,10.8 24.5,11.4 27.9,11.4 28.1,11.2 28.1,9.9 29.7,9.9 29.9,9.7 29.9,7.1 29.7,6.9
VCC_VMID on BOTTOM: 4.6,21.7 1.1,21.7 1.1,24.8 1.2,24.9 4.4,24.9 4.8,24.5 4.8,21.9
VCC_VMID on BOTTOM: 18.7,7.2 15.3,7.2 15.1,7.4 15.1,8.8 14.9,9 14.5,9 14.4,9.1 14.4,9.8 14.5,9.9 16.2,9.9 16.2,8.7 16.4,8.5 18.6,8.5 18.8,8.3 18.8,7.3
VCC_VSYS on TOP: 11.8,15.1 11.8,15.7 12.1,16 18.8,16 18.9,15.9 18.9,14.9 19.2,14.6 19.6,14.6 19.8,14.8 19.8,17.6 19.7,17.7 10.1,17.7 9.9,17.5 9.9,16.2 11.1,15 11.7,15
VCC_VSYS on BOTTOM: 12.8,15.4 11.7,15.4 11.7,15.9 11.2,16.4 10.2,16.4 10.1,16.3 10.1,16 11.5,14.6 12.8,14.6 ; 1 cut-out
VCC_VSYS on BOTTOM: 19,14.6 19,17.5 19.3,17.8 29.5,17.8 29.9,17.4 29.9,10.1 28.6,10.1 28.6,12.9 28.3,13.2 24.3,13.2 24.3,14.2 23.9,14.6
N17511019 on BOTTOM: 3.4,14.7 5.2,14.7 5.2,21 5,21.2 1.1,21.2 1.1,18.9 1.2,18.8 2.3,18.8 2.6,18.5 2.6,17.3 3.4,16.5
N17512437 on BOTTOM: 14.3,22.8 21.8,22.8 21.8,19.3 16.6,19.3 16.4,19.1 16.4,18.3 16.8,17.9 16.8,16.1 16.5,16.1 16.5,16.9 16.2,16.9 16.2,16.1 16,16.1 16,16.9 15.7,16.9 15.7,16.1 15.5,16.1 15.5,16.9 15.2,16.9 15.2,16.1 14.9,16.1 14.9,16.9 14.8,16.9 14.8,16.1 14.4,16.1 14.4,18.1 13.8,18.7 13.8,22.3
N17512443 on BOTTOM: 29.5,19.2 29.5,23.6 29.9,24 38.2,24 38.5,24.3 38.5,25.9 40.8,25.9 40.8,21.1 40.6,20.9 38.5,20.9 38.1,20.5 38.1,19.4 37.9,19.2
N17529939 on BOTTOM: 4.9,6.7 7,6.7 7.4,7.1 7.4,10.3 7.6,10.5 9.7,10.5 9.9,10.3 9.9,2.9 7.7,2.9 7.7,5.3 7.5,5.5 4.9,5.5

Small or netless copper shapes (teardrops, artwork), in the pictures only: 80 on TOP, 207 on BOTTOM

## Text on the board
Ref Des/Silkscreen Bottom: 3V3 | GND | CLK | DIO | HY_TYPEC_CHRG_V10_200929 | XXXLZJXXX | U1TX | U1RX
Ref Des/Silkscreen Top: 12V/1.5A | IN/OUT | 5V/3A | 9/2A | QC2.0/3.0 | PD2.0 | PD3.0 PPS | FCP | AFC | SFCP | MTK | USB C DRP | BC1.2 | APPLE2.4A | QUICK | CHARGE | USER | LED | IP5328 | KEY | 100% | 75% | 50% | 25% | BAT | GND
DIMENSION: FIGURE | FINISHED_SIZE | 0.254 | 0.3048 | 1.0 | 1.1 | 1.2x0.6 | 1.7x0.6 | DRILL CHART: TOP to BOTTOM | ALL UNITS ARE IN MILLIMETERS | PLATED | QTY | 133 | 25 | 4 | 8 | 2 | 174 | TOTAL HOLES:
